# Altium PCB SuperCapV3Control.PcbDoc (part 1 of 2) (continued)
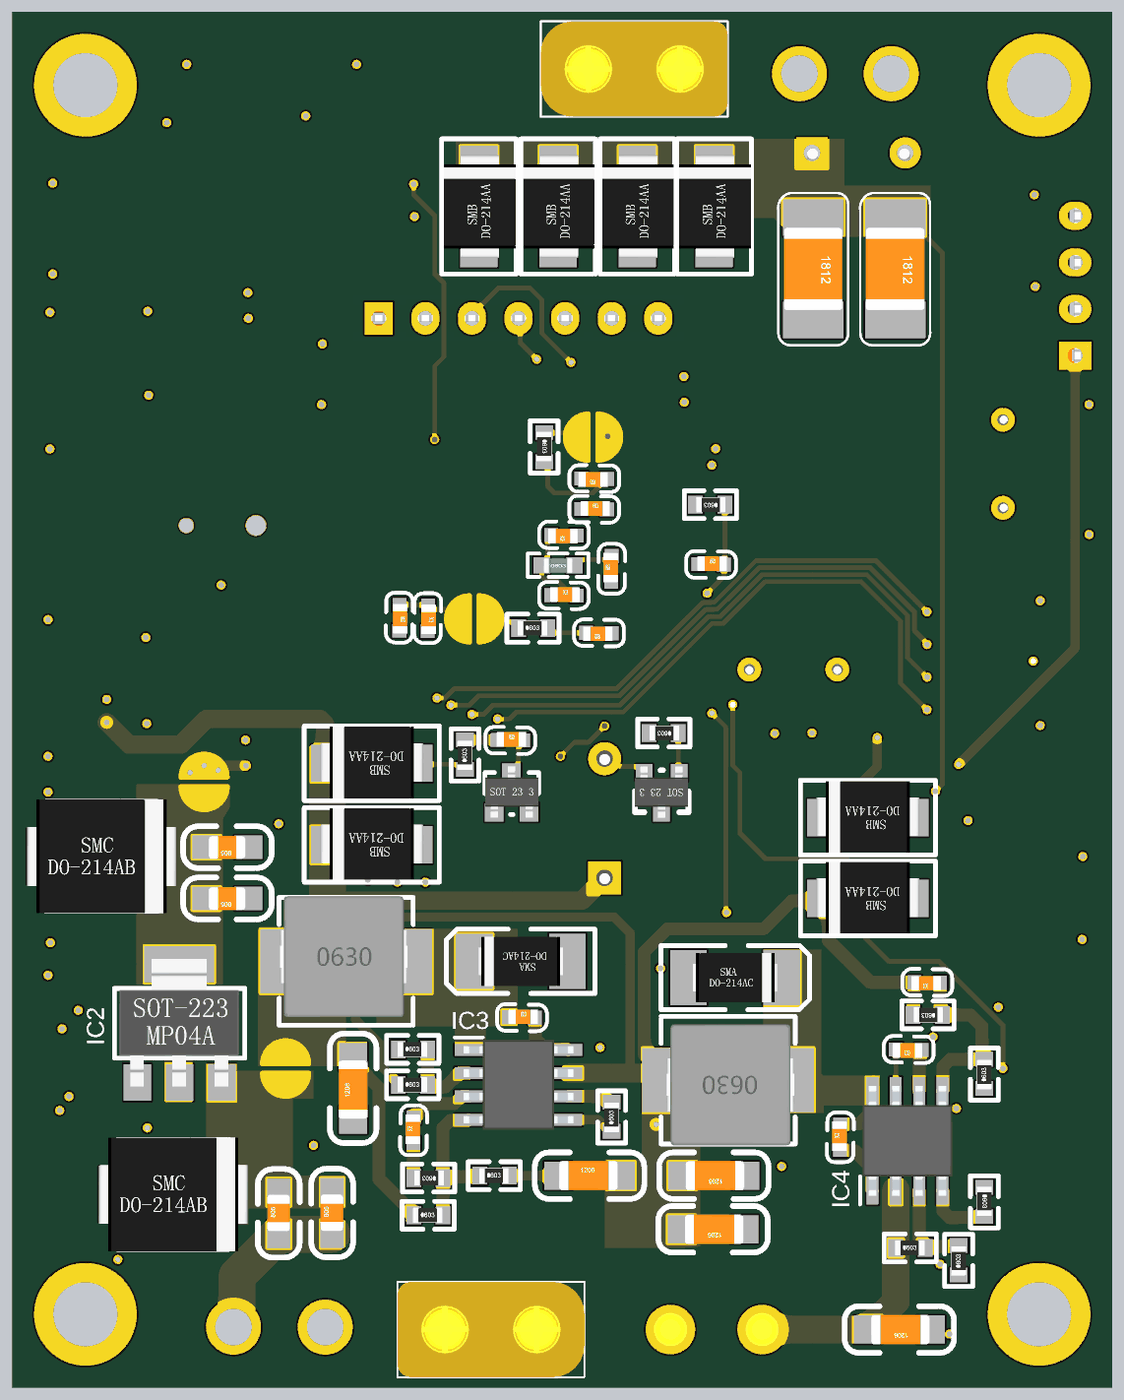
[diagram p6: 3D render of the assembled board from below, using the file's embedded part models]

## Layer stack, top to bottom
Top Solder: solder mask 0.0102, Solder Resist, Dk 3.5
Top Layer: signal copper 0.0356
Dielectric 1: dielectric 0.071, PP-006, Dk 4.1
POWER: plane copper 0.035, net 3V3
Dielectric 3: prepreg 0.0711, PP-006, Dk 4.1
GND: plane copper 0.035, net GND
Dielectric 2: prepreg 0.0711, PP-006, Dk 4.1
Bottom Layer: signal copper 0.0356
Bottom Solder: solder mask 0.0102, Solder Resist, Dk 3.5

## Board outline
0,0 60,0 60,75 0,75

## Design rules (kind name [scope] priority, off if disabled: settings)
Clearance [All] p1: gap=0.127 ignorepadtopadclearanceinfootprint=FALSE except(0: Arc-Hole Track-Hole SMDPad-Hole THPad-Hole Via-Hole Fill-Hole Poly-Hole Region-Hole Text-Hole)
DiffPairsRouting [All] p1: maxlimit=0.254 minlimit=0.254 mostfreqgap=0.254 toplayer_minwidth=0.254 toplayer_maxwidth=0.381 toplayer_prefwidth=0.254 bottomlayer_minwidth=0.254 bottomlayer_maxwidth=0.381 bottomlayer_prefwidth=0.254 maxuncoupledlength=12.7
PlaneClearance [All] p1: clearance=0.508
PlaneConnect [All] p1: planeconnectstyle=Direct reliefexpansion=0.508 reliefentries=4 reliefconductorwidth=0.254 reliefairgap=0.254
PolygonConnect PolygonConnect_22 [All vs IsNamedPolygon('Bottom Layer-Cap')] p1: connectstyle=Direct reliefconductorwidth=0.254 reliefentries=4 polygonreliefangle="90 Angle" airgapwidth=0.254
PolygonConnect PolygonConnect_21 [All vs IsNamedPolygon('Top Layer-NetJ11_1')] p2: connectstyle=Direct reliefconductorwidth=0.254 reliefentries=4 polygonreliefangle="90 Angle" airgapwidth=0.254
PolygonConnect PolygonConnect_20 [All vs IsNamedPolygon('Top Layer-Cap')] p3: connectstyle=Direct reliefconductorwidth=0.254 reliefentries=4 polygonreliefangle="90 Angle" airgapwidth=0.254
PolygonConnect PolygonConnect_19 [All vs IsNamedPolygon('CAP_L01_P048')] p4: connectstyle=Direct reliefconductorwidth=0.254 reliefentries=4 polygonreliefangle="90 Angle" airgapwidth=0.254
PolygonConnect PolygonConnect_18 [All vs IsNamedPolygon('NETC43_2_L04_P046')] p5: connectstyle=Direct reliefconductorwidth=0.254 reliefentries=4 polygonreliefangle="90 Angle" airgapwidth=0.254
PolygonConnect PolygonConnect_17 [All vs IsNamedPolygon('Bottom Layer-12V 1')] p6: connectstyle=Direct reliefconductorwidth=0.254 reliefentries=4 polygonreliefangle="90 Angle" airgapwidth=0.254
PolygonConnect PolygonConnect_16 [All vs IsNamedPolygon('Bottom Layer-NetC41_2')] p7: connectstyle=Direct reliefconductorwidth=0.254 reliefentries=4 polygonreliefangle="90 Angle" airgapwidth=0.254
PolygonConnect PolygonConnect_15 [All vs IsNamedPolygon('Bottom Layer-NetC41_2')] p8: connectstyle=Direct reliefconductorwidth=0.254 reliefentries=4 polygonreliefangle="90 Angle" airgapwidth=0.254
PolygonConnect PolygonConnect_14 [All vs IsNamedPolygon('Bottom Layer-5V')] p9: connectstyle=Direct reliefconductorwidth=0.254 reliefentries=4 polygonreliefangle="90 Angle" airgapwidth=0.254
PolygonConnect PolygonConnect_13 [All vs IsNamedPolygon('NETC48_1_L04_P030')] p10: connectstyle=Direct reliefconductorwidth=0.254 reliefentries=4 polygonreliefangle="90 Angle" airgapwidth=0.254
PolygonConnect PolygonConnect_12 [All vs IsNamedPolygon('NETC48_1_L04_P028')] p11: connectstyle=Direct reliefconductorwidth=0.254 reliefentries=4 polygonreliefangle="90 Angle" airgapwidth=0.254
PolygonConnect PolygonConnect_11 [All vs IsNamedPolygon('Bottom Layer-Battery_IN')] p12: connectstyle=Direct reliefconductorwidth=0.254 reliefentries=4 polygonreliefangle="90 Angle" airgapwidth=0.254
PolygonConnect PolygonConnect_10 [All vs IsNamedPolygon('Bottom Layer-Battery_IN')] p13: connectstyle=Direct reliefconductorwidth=0.254 reliefentries=4 polygonreliefangle="90 Angle" airgapwidth=0.254
PolygonConnect PolygonConnect_9 [All vs IsNamedPolygon('Bottom Layer-Battery_IN')] p14: connectstyle=Direct reliefconductorwidth=0.254 reliefentries=4 polygonreliefangle="90 Angle" airgapwidth=0.254
PolygonConnect PolygonConnect_8 [All vs IsNamedPolygon('Bottom Layer-12V')] p15: connectstyle=Direct reliefconductorwidth=0.254 reliefentries=4 polygonreliefangle="90 Angle" airgapwidth=0.254
PolygonConnect PolygonConnect_7 [All vs IsNamedPolygon('NETC50_2_L04_P018')] p16: connectstyle=Direct reliefconductorwidth=0.254 reliefentries=4 polygonreliefangle="90 Angle" airgapwidth=0.254
PolygonConnect PolygonConnect_6 [All vs IsNamedPolygon('CHASSIS_L01_P016')] p17: connectstyle=Direct reliefconductorwidth=0.254 reliefentries=4 polygonreliefangle="90 Angle" airgapwidth=0.254
PolygonConnect PolygonConnect_5 [All vs IsNamedPolygon('Top Layer-NetJ9_1 1')] p18: connectstyle=Direct reliefconductorwidth=0.254 reliefentries=4 polygonreliefangle="90 Angle" airgapwidth=0.254
PolygonConnect PolygonConnect_4 [All vs IsNamedPolygon('CHASSIS_L01_P016')] p19: connectstyle=Direct reliefconductorwidth=0.254 reliefentries=4 polygonreliefangle="90 Angle" airgapwidth=0.254
PolygonConnect PolygonConnect_3 [All vs IsNamedPolygon('NETJ9_1_L01_P008')] p20: connectstyle=Direct reliefconductorwidth=0.254 reliefentries=4 polygonreliefangle="90 Angle" airgapwidth=0.254
PolygonConnect PolygonConnect_2 [All vs IsNamedPolygon('BATTERY_IN_L01_P006')] p21: connectstyle=Direct reliefconductorwidth=0.254 reliefentries=4 polygonreliefangle="90 Angle" airgapwidth=0.254
PolygonConnect PolygonConnect_1 [All vs IsNamedPolygon('Top Layer-Battery_IN')] p22: thpad.connectstyle=Direct thpad.reliefconductorwidth=0.254 thpad.reliefentries=4 thpad.polygonreliefangle="90 Angle" thpad.airgapwidth=0.254 smdpad.connectstyle=Direct smdpad.reliefconductorwidth=0.254 smdpad.reliefentries=4 smdpad.polygonreliefangle="90 Angle" smdpad.airgapwidth=0.254 via.connectstyle=Relief via.reliefconductorwidth=0.254 via.reliefentries=4 via.polygonreliefangle="90 Angle" via.airgapwidth=0.254
PolygonConnect [All] p23: connectstyle=Relief reliefconductorwidth=0.254 reliefentries=4 polygonreliefangle="90 Angle" airgapwidth=0.254
RoutingVias [All] p1: holewidth=0.711 width=1.27 viastyle="Through Hole" minholewidth=0.3 minwidth=0.5 maxholewidth=0.711 maxwidth=1.27
SolderMaskExpansion [All] p1: expansion=0.102
Width [All] p1: maxlimit=5 minlimit=0.254 preferedwidth=0.254
27 further rules are at their usual default settings.

## Components (designator, comment, footprint, x,y, rotation, side; value= is the part's Value field where it differs from the comment)
B31 "BEEP" "BEEP 6.5x12x8.5" 27.686,27.79 r90 top
C0 "0.1u" 0603C 27.554,49.521 r0 bottom
C1 "2.2uF" 0603C 37.304,42.65 r270 bottom
C2 "2.2uF" 0603C 43.138,53.599 r270 top
C3 "0.1uF" 0603C 43.044,55.494 r90 top
C4 "0.1uF" 0603C 28.961,47.913 r180 bottom
C5 "0.1uF" 0603C 23.334,53.716 r90 top
C6 "0.1uF" 0603C 38.853,42.677 r270 bottom
C7 "0.1uF" 0603C 27.339,43.937 r90 bottom
C8 "0.1uF" 0603C 27.3,41.114 r0 bottom
C10 "1uF" 0603C 22.586,44.897 r180 bottom
C11 "20p" 0603C 16.388,35.678 r180 top
C12 "20p" 0603C 18.41,35.671 r0 top
C13 "10p" 0603C 1.265,53.603 r0 top
C14 "10p" 0603C 1.265,46.516 r0 top
C15 "0.1u" 0603C 30.612,43.214 r180 bottom
C16 "10u" 0603C 29.205,46.448 r0 bottom
C20 "0.1uF" 0603C 51.567,68.952 r180 top
C21 "47pF" 0603C 52.645,36.19 r90 top
C22 "47pF" 0603C 52.714,40.899 r270 top
C23 "47pF" 0603C 52.544,54.097 r90 top
C24 "47pF" 0603C 52.612,58.679 r270 top
C25 "47pF" 0603C 4.267,65.029 r270 top
C26 "47pF" 0603C 4.198,60.017 r90 top
C27 "0.1uF" 0603C 38.754,22.987 r90 top
C28 "0.1uF" 0603C 40.494,24.384 r270 top
C29 "0.1uF" 0603C 38.095,65.616 r0 top
C30 "0.1uF" 0603C 39.502,63.847 r180 top
C31 "0.1uF" 0603C 21.05,25.908 r270 top
C32 "0.1uF" 0603C 22.968,24.384 r270 top
C33 "0.1uF" 0603C 1.626,28.961 r270 top
C41 "0.1uF" 0805C 42.555,8.4 r90 bottom
C42 "10uF" 0805C 45.466,8.382 r90 bottom
C43 "0.1uF" 0805C 47.135,26.66 r0 bottom
C44 "10uF" 0805C 47.135,29.454 r0 bottom
C45 "22uF" 1206C 41.402,14.605 r90 bottom
C46 "150pF" 0603C 38.134,13.33 r90 bottom
C47 "10uF" 1206C 30.226,11.557 r180 bottom
C48 "0.1uF" 0603C 32.898,20.202 r180 bottom
C49 "10uF" 1206C 9.906,3.169 r0 bottom
C50 "0.1uF" 0603C 14.868,12.949 r90 bottom
C51 "0.1uF" 0603C 10.409,18.406 r0 bottom
C52 "150pF" 0603C 9.393,22.064 r0 bottom
C53 "22uF" 1206C 20.066,8.636 r0 bottom
C54 "22uF" 1206C 20.019,11.557 r0 bottom
C55 "0.1uF" 0603C 47.151,59.695 r270 top
C56 "0.1uF" 0603C 47.235,33.904 r90 top
C57 "CAP" 1812C 11.846,63.779 r0 bottom
C58 "CAP" 1812C 16.313,63.779 r0 bottom
C61 "0.1uF" 0603C 33.533,35.315 r180 bottom
D1 "LED" LED-0603G 58.039,22.486 r180 top
D2 "LED" LED-0603G 19.932,55.296 r270 top
D31 "LED-5050" LED-5050W 40.64,32.893 r270 top
D41 "5V" SMC/DO-214AB 54.26,10.541 r180 bottom
D42 "3V3" SMC/DO-214AB 58.166,28.956 r180 bottom
D43 "B5817W" SMA/DO-214AC 29.845,23.241 r0 bottom
D44 "SS24" SMA/DO-214AC 22.987,22.352 r180 bottom
D51 "LED" LED-0603G 16.263,11.938 r90 top
D52 "LED" LED-0603G 45.339,13.081 r90 top
D53 "LED" LED-0603G 20.073,61.341 r90 top
D54 "LED" LED-0603G 24.892,17.907 r90 top
D55 "LED" LED-0603G 43.815,24.13 r270 top
D60 "SMBJ28A" SMB/DO-214AA 9.054,7.112 r0 top
D61 "SMBJ28A" SMB/DO-214AA 9.054,11.43 r0 top
D62 "SMBJ28A" SMB/DO-214AA 9.054,15.752 r0 top
D63 "SMBJ28A" SMB/DO-214AA 9.054,2.794 r0 top
D64 "SMBJ28A" SMB/DO-214AA 52.451,8.636 r180 top
D65 "SMBJ28A" SMB/DO-214AA 52.451,12.954 r180 top
D66 "SMBJ28A" SMB/DO-214AA 52.451,17.272 r180 top
D67 "SMBJ28A" SMB/DO-214AA 52.451,21.59 r180 top
D68 "SMBJ28A" SMB/DO-214AA 21.717,62.103 r90 bottom
D69 "SMBJ28A" SMB/DO-214AA 25.908,62.103 r90 bottom
D70 "SMBJ28A" SMB/DO-214AA 30.226,62.103 r90 bottom
D71 "SMBJ28A" SMB/DO-214AA 34.544,62.103 r90 bottom
D72 "SMBJ12A" SMB/DO-214AA 11.049,26.67 r0 bottom
D73 "SMBJ12A" SMB/DO-214AA 11.049,31.073 r0 bottom
D74 "SMBJ5A" SMB/DO-214AA 38.1,29.591 r0 bottom
D75 "SMBJ5A" SMB/DO-214AA 38.1,34.036 r0 bottom
D76 "SMBJ3V3A" SMB/DO-214AA 57.023,15.494 r90 top
DE1 "POWER" DEBUG_A#1 28.321,51.816 r0 bottom
DE2 "POWER" DEBUG_A#2 34.798,41.91 r180 bottom
DE3 "POWER" DEBUG_A#3 45.085,17.399 r270 bottom
DE4 "POWER" DEBUG_A#4 49.53,33.02 r270 bottom
EC1 "DIP_ECAP" DIP-EC5.0X10X20-A 16.383,67.31 r270 top
IC1 "STM32F407VET6" QFP50P1600X1600X160-100N 33.02,46.863 r0 top
IC2 "AMS1117-3V3" SOT-223 50.927,19.939 r180 bottom
IC3 "MP1584EN-LF" SOIC127P600X170-9N 32.385,16.51 r180 bottom
IC4 "LMR14020SDDAR" SOIC127P600X170-9N 11.176,13.462 r90 bottom
IC5 "SN65HVD230DR" SOT127P600X175-8N 47.609,63.246 r0 top
IC6 "SN65HVD230DR" SOT127P600X175-8N 48.006,30.099 r0 top
IC7 "INA240A1PWR" SOP65P640X120-8N 22.025,18.161 r90 top
IC8 "INA240A1PWR" SOP65P640X120-8N 39.695,18.178 r90 top
IC9 "INA240A1PWR" SOP65P640X120-8N 32.385,64.77 r0 top
IC10 "OPA2350UA_2K5" SOIC127P600X175-8N 5.334,26.035 r90 top
IC11 "MCP9700AT-E_TT" SOT23 33.83,31.353 r180 bottom
J1 "MX1.25-4P" MX1.25WS-4P 45.847,72.136 r180 top
J2 "USART3" GH1.25_4P 59.487,33.824 r90 top
J3 "USART1" GH1.25_4P 59.385,50.576 r90 top
J4 "USART2" Fe-HDR1X4/2.54-S 2.032,56.261 r180 top
J5 "Female HDR1X7" Fe-HDR1X7/2.54-S 40.005,58.293 r270 top
J6 "CAN1" GH1.25_2P 59.233,59.989 r90 top
J7 "CAN2" GH1.25_2P 59.487,26.8 r90 top
J8 "XT30PB" XT30PB 19.1,3.169 r90 top
J9 "XT30PB" XT30PB 36.389,3.169 r90 bottom
J10 "XT30Motor" XT30UPB-F 47.946,3.296 r0 top
J11 "XT30PB" XT30PB 23.575,71.882 r270 bottom locked
J12 "XT30CAP" XT30UPB-F 12.045,71.634 r180 top
J13 "FPC0.5-8P" FPC0.5-8P 3.937,39.498 r270 top
K1 "KEY" SMD-3X6X2.5 21.799,50.673 r270 top
L1 "10uH" 0603L 31.115,44.831 r180 bottom
L31 "15uH" 0630L 44.831,23.241 r180 bottom
L32 "15uH" 0630L 17.907,16.764 r0 bottom
M3_1 "Hole" M3#1 5.207,67.818 r0 top
M3_2 "Hole" M3#2 3.81,5.461 r0 top
M3_3 "Hole" M3#3 54.991,5.08 r0 top
M3_4 "Hole" M3#4 56.007,68.834 r0 top
Q31 "PNP" SOT-23 24.511,32.639 r0 bottom
R10 "10K" 0603R 21.133,48.133 r0 bottom
R11 "10K" 0603R 30.988,52.07 r270 bottom
R12 "10K" 0603R 32.385,41.402 r180 bottom
R13 "1M" 0805R 18.288,43.053 r180 top
R14 "1M" 0805R 1.905,48.768 r90 top
R15 "5K" 0603R 21.717,55.118 r270 top
R16 "5K" 0603R 56.312,24.257 r0 top
R20 "100" 0603R 50.8,37.592 r180 top
R21 "100" 0603R 50.8,39.624 r180 top
R22 "100" 0603R 50.736,55.499 r180 top
R23 "100" 0603R 50.8,57.404 r180 top
R24 "100" 0603R 7.442,61.468 r180 top
R25 "100" 0603R 7.442,63.627 r180 top
R26 "0.04" 2512R 36.528,8.966 r0 top
R27 "0" 0603R 38.735,13.462 r270 top
R28 "0" 0603R 40.513,13.462 r270 top
R29 "0" 0603R 27.508,65.659 r180 top
R30 "0" 0603R 27.508,63.881 r180 top
R31 "2K" 0603R 40.767,36.322 r270 top
R32 "2K" 0603R 37.211,36.322 r270 top
R33 "2K" 0603R 38.989,36.322 r270 top
R34 "1K" 0603R 23.673,35.687 r0 bottom
R41 "100K" 0603R 38.938,16.51 r180 bottom
R42 "24.9K" 0603R 38.938,18.44 r180 bottom
R43 "210K" 0603R 38.1,9.398 r180 bottom
R44 "100K" 0603R 36.5,11.43 r0 bottom
R45 "40.2K" 0603R 34.493,11.557 r180 bottom
R46 "100K" 0603R 27.305,13.97 r90 bottom
R47 "10K" 0603R 8.382,6.147 r90 bottom
R48 "18.7K" 0603R 11.811,7.62 r180 bottom
R49 "30K" 0603R 6.985,10.922 r270 bottom
R50 "10K" 0603R 6.985,16.307 r90 bottom
R51 "150K" 0603R 9.271,20.32 r0 bottom
R52 "120" 0603R 52.435,63.957 r270 top
R53 "120" 0603R 52.705,30.861 r270 top
R100 "0" 0603R 6.096,30.912 r90 top
R101 "0.04" 2512R 22.987,67.818 r270 top
R102 "47R" 0805R 18.786,21.336 r90 top
R103 "47R" 0805R 36.528,21.336 r90 top
R104 "47R" 0805R 35.814,67.945 r0 top
R105 "47R" 0603R 4.369,34.163 r0 top
R106 "1K" 0603R 2.517,32.512 r270 top
R107 "20K" 0603R 4.318,30.912 r90 top
R108 "20K" 0603R 9.652,30.912 r90 top
R109 "1K" 0603R 7.874,30.912 r90 top
R110 "47R" 0603R 5.969,17.399 r180 top
R111 "1K" 0603R 2.667,20.739 r270 top
R112 "20K" 0603R 4.445,19.139 r90 top
R113 "20K" 0603R 8.001,19.101 r90 top
R114 "1K" 0603R 9.779,19.118 r90 top
R115 "0" 0603R 24.638,22.86 r90 top
R116 "0" 0603R 42.164,22.733 r90 top
R117 "0" 0603R 30.861,62.005 r180 top
R118 "0" 0603R 1.651,24.435 r90 top
R119 "4.7" 0603R 8.509,36.957 r0 top
R120 "4.7" 0603R 8.509,38.735 r0 top
R121 "4.7" 0603R 8.509,40.513 r0 top
R122 "4.7" 0603R 8.509,42.291 r0 top
R123 "0" 0603R 22.987,13.462 r270 top
R124 "0.04" 2512R 25.184,9.068 r180 top
R125 "0" 0603R 21.209,13.462 r270 top
R126 "0" 0603R 6.223,19.139 r90 top
R130 "0" 0603R 35.306,33.706 r90 bottom
R201 "100K" 0603R 18.034,12.065 r90 top
R202 "100K" 0603R 43.561,13.259 r90 top
R203 "100K" 0603R 20.066,67.183 r270 top
R204 "100K" 0603R 26.543,17.831 r90 top
R205 "20K" 0603R 45.466,24.13 r270 top
S1 "SS-12F23" 五向开关 48.6,47 r90 top
X10 "8Mhz" "OSC HC-49S" 17.399,39.148 r180 top
X11 "32.768Khz" "OSC HC-49S" 5.969,50.363 r90 top

## Footprints (in the part's own frame and the unit in brackets; to place one, negate y for a bottom-side part, rotate by r counter-clockwise, add the part's x,y. Pads: shape width x height; smd on the part's side, far side on the other; paste and mask are expansions set on the pad)
0603C [mil]
  rect 30x30 smd: 1(0.21,-0.35) 2(55.21,-1.35)
  silkscreen extent -26,-30 81,28, body extent -1,-15 62,16, height 12
0603L [mil] "小功率贴片电感"
  rect 35x35 smd: 1(0,0) 2(70,0)
  silkscreen extent -30,-25 100,25, body extent 4,-17 66,15, height 31
0603R [mm]
  rect 0.8x0.965 smd: 1(0,0) 2(1.6,0)
  silkscreen extent -0.64,-0.76 2.21,0.76, body extent -0.04,-0.41 1.56,0.41, height 0.45
0630L [mm]
  rect 3x3.5 smd: 1(-0.127,0) 2(6.223,0)
  silkscreen extent -0.61,-3.48 6.71,3.48, body extent -0.55,-3.05 6.4,3.55, height 3.05
0805C [mil]
  rect 60x50 smd: 1(-0.71,-0.4) 2(89.29,-0.4)
  silkscreen extent -51,-45 139,45, body extent 6,-25 84,25, height 31
0805R [mil]
  rect 60x50 smd: 1(0,0) 2(90,0)
  silkscreen extent -50,-45 140,45, body extent 1,-25 80,25, height 15
1206C [mil]
  rect 60x60 smd: 1(0,0) 2(135,0)
  silkscreen extent -50,-50 185,50, body extent 2,-31 128,31, height 39
1812C [mm]
  rect 3.302x2 smd: 1(0,0) 2(0,5.572)
  silkscreen extent -1.91,-1.35 1.92,6.96, body extent -1.6,0.54 1.6,5.04, height 1.6
2512R [mil]
  rect 61x129.92 smd: 1(-3.11,2) 2(251.89,2)
  silkscreen extent -47,-77 296,81, body extent 0,-63 249,63, height 24
"BEEP 6.5x12x8.5" [mm]
  rect 1.8x1.8 hole 0.9: 1(0,0)
  round 1.8 hole 0.9: 2(6.5,0)
  silkscreen extent -2.82,-6.22 9.57,6.18, body extent -2.79,-6 9.21,6, height 8.55
DEBUG_A#1 [mm]
  round 1 smd paste-1: 1(-0.889,0) 2(0.889,0)
  Top Layer region: -0.254,1.27 -0.254,-1.27 -0.762,-1.143 -1.397,-0.508 -1.524,0.254 -1.27,0.762 -1.016,1.016 -0.508,1.27
  Top Layer region: 0.254,1.27 0.254,-1.27 0.762,-1.143 1.397,-0.508 1.524,0.254 1.27,0.762 1.016,1.016 0.508,1.27
  Top Layer lines w0.254: -0.254,1.27 ccw(c-0.254,0) -0.254,-1.27 -0.254,1.27 ; 0.254,1.27 cw(c0.254,0) 1.412,0.523 cw(c0.254,0) 1.502,-0.233 cw(c0.254,0) 0.254,-1.27 0.254,1.27
DEBUG_A#2 [mm]
  round 1 smd paste-1: 1(-0.889,0) 2(0.889,0)
  Top Layer region: -0.254,1.27 -0.254,-1.27 -0.762,-1.143 -1.397,-0.508 -1.524,0.254 -1.27,0.762 -1.016,1.016 -0.508,1.27
  Top Layer region: 0.254,1.27 0.254,-1.27 0.762,-1.143 1.397,-0.508 1.524,0.254 1.27,0.762 1.016,1.016 0.508,1.27
  Top Layer lines w0.254: 1.515,-0.153 cw(c0.254,0) 0.254,-1.27 0.254,1.27 cw(c0.254,0) 1.412,0.523 cw(c0.254,0) 1.515,-0.153 ; -0.254,-1.27 cw(c-0.254,0) -1.418,0.507 cw(c-0.254,0) -0.254,1.27 -0.254,-1.27
DEBUG_A#3 [mm]
  round 1 smd paste-1: 1(-0.889,0) 2(0.889,0)
  Top Layer region: -0.254,1.27 -0.254,-1.27 -0.762,-1.143 -1.397,-0.508 -1.524,0.254 -1.27,0.762 -1.016,1.016 -0.508,1.27
  Top Layer region: 0.254,1.27 0.254,-1.27 0.762,-1.143 1.397,-0.508 1.524,0.254 1.27,0.762 1.016,1.016 0.508,1.27
  Top Layer lines w0.254: 0.254,1.27 cw(c0.254,0) 1.412,0.523 cw(c0.254,0) 0.254,-1.27 0.254,1.27 ; -0.254,1.27 ccw(c-0.254,0) -0.254,-1.27 -0.254,1.27
DEBUG_A#4 [mm]
  round 1 smd paste-1: 1(-0.889,0) 2(0.889,0)
  Top Layer region: -0.254,1.27 -0.254,-1.27 -0.762,-1.143 -1.397,-0.508 -1.524,0.254 -1.27,0.762 -1.016,1.016 -0.508,1.27
  Top Layer region: 0.254,1.27 0.254,-1.27 0.762,-1.143 1.397,-0.508 1.524,0.254 1.27,0.762 1.016,1.016 0.508,1.27
  Top Layer lines w0.254: 0.254,1.27 cw(c0.254,0) 1.412,0.523 cw(c0.254,0) 0.254,-1.27 0.254,1.27 ; -0.254,1.27 ccw(c-0.254,0) -0.889,1.1 ccw(c-0.254,0) -0.254,-1.27 -0.254,1.27
DIP-EC5.0X10X20-A [mm]
  rect 1.7x1.7 hole 0.9: 1(0,0)
  round 1.7 hole 0.9: 2(0,-5.08)
  silkscreen extent 0.76,-7.62 21.97,2.54, body extent -0.25,-7.54 21.96,2.46, height 10.03
Fe-HDR1X4/2.54-S [mil]
  rect 70x60 hole 32: 1(0,0)
  oval 70x60 hole 32: 2(0,-100) 3(0,-200) 4(0,-300)
  silkscreen extent -50,-350 50,50, body extent -44,-355 54,55, height 335
Fe-HDR1X7/2.54-S [mil]
  rect 70x60 hole 32: 1(0,0)
  oval 70x60 hole 32: 2(0,-100) 3(0,-200) 4(0,-300) 5(0,-400) 6(0,-500) 7(0,-600)
  silkscreen extent -50,-650 50,50, body extent -49,-655 49,55, height 126
FPC0.5-8P [mm]
  rect 1.8x2.2 smd: 0(-3.4,0) 0(3.4,0)
  rect 0.3x1.3 smd: 1(-1.75,2.497) 2(-1.25,2.497) 3(-0.75,2.497) 4(-0.25,2.497) 5(0.25,2.497) 6(0.75,2.497) 7(1.25,2.497) 8(1.75,2.497)
  silkscreen extent -4.17,-3.3 4.17,2.16, body extent -4.11,-3.23 4.09,2.77, height 2
GH1.25_2P [mm]
  rect 0.6x1.7 smd: 1(2.57,4.648) 2(3.82,4.648)
  rect 1x2.7 smd: 3(5.67,1.448) 4(0.72,1.448)
  silkscreen extent 0,-0.13 6.36,4.65
GH1.25_4P [mm]
  rect 0.6x1.7 smd: 1(2.443,4.648) 2(3.693,4.648) 3(4.943,4.648) 4(6.193,4.648)
  rect 1x2.7 smd: 5(8.043,1.448) 6(0.593,1.448)
  silkscreen extent -0.13,-0.13 8.89,4.57
LED-0603G [mil]
  rect 50x35 smd: A(0,0.26) K(70,0.26)
  silkscreen extent -36,-28 134,28, body extent 4,-15 66,17, height 24
LED-5050W [mm]
  rect 1.5x0.9 smd: 1(-0.038,-0.051) 2(5.372,-0.051) 3(-0.038,-1.651) 4(5.372,-1.651) 5(-0.038,-3.251) 6(5.372,-3.251)
  silkscreen extent 1.14,-3.94 4.19,0.64, body extent -0.03,-4.11 5.37,0.89, height 1.65
M3#1 [mm]
  round 5.6 hole 3.5: 1(-1.207,3.182)
M3#2 [mm]
  round 5.6 hole 3.5: 1(0.19,-1.461)
M3#3 [mm]
  round 5.6 hole 3.5: 1(1.009,-1.08)
M3#4 [mm]
  round 5.6 hole 3.5: 1(-0.007,2.166)
MX1.25WS-4P [mm]
  rect 2x3 smd: 0(-4.632,0) 0(4.632,0)
  rect 0.8x1.6 smd: 1(-1.889,2.811) 2(-0.639,2.811) 3(0.611,2.811) 4(1.861,2.811)
  silkscreen extent -5.23,-2.23 5.45,3.25, body extent -5.15,-1.96 5,3.23, height 3.4
"OSC HC-49S" [mm]
  round 1.3 hole 0.6: 1(-2.4,0) 2(2.4,0)
  silkscreen extent -5.52,-2.32 5.52,2.33, body extent -5.53,-2.29 5.53,2.36, height 4.13
QFP50P1600X1600X160-100N [mm]
  rect 1.475x0.3 smd: 1(-7.738,6) 2(-7.738,5.5) 3(-7.738,5) 4(-7.738,4.5) 5(-7.738,4) 6(-7.738,3.5) 7(-7.738,3) 8(-7.738,2.5) 9(-7.738,2) 10(-7.738,1.5) 11(-7.738,1) 12(-7.738,0.5) 13(-7.738,0) 14(-7.738,-0.5) 15(-7.738,-1) 16(-7.738,-1.5) 17(-7.738,-2) 18(-7.738,-2.5) 19(-7.738,-3) 20(-7.738,-3.5) 21(-7.738,-4) 22(-7.738,-4.5) 23(-7.738,-5) 24(-7.738,-5.5) 25(-7.738,-6) 51(7.738,-6) 52(7.738,-5.5) 53(7.738,-5) 54(7.738,-4.5) 55(7.738,-4) 56(7.738,-3.5) 57(7.738,-3) 58(7.738,-2.5) 59(7.738,-2) 60(7.738,-1.5) 61(7.738,-1) 62(7.738,-0.5) 63(7.738,0) 64(7.738,0.5) 65(7.738,1) 66(7.738,1.5) 67(7.738,2) 68(7.738,2.5) 69(7.738,3) 70(7.738,3.5) 71(7.738,4) 72(7.738,4.5) 73(7.738,5) 74(7.738,5.5) 75(7.738,6)
  rect 0.3x1.475 smd: 26(-6,-7.738) 27(-5.5,-7.738) 28(-5,-7.738) 29(-4.5,-7.738) 30(-4,-7.738) 31(-3.5,-7.738) 32(-3,-7.738) 33(-2.5,-7.738) 34(-2,-7.738) 35(-1.5,-7.738) 36(-1,-7.738) 37(-0.5,-7.738) 38(0,-7.738) 39(0.5,-7.738) 40(1,-7.738) 41(1.5,-7.738) 42(2,-7.738) 43(2.5,-7.738) 44(3,-7.738) 45(3.5,-7.738) 46(4,-7.738) 47(4.5,-7.738) 48(5,-7.738) 49(5.5,-7.738) 50(6,-7.738) 76(6,7.738) 77(5.5,7.738) 78(5,7.738) 79(4.5,7.738) 80(4,7.738) 81(3.5,7.738) 82(3,7.738) 83(2.5,7.738) 84(2,7.738) 85(1.5,7.738) 86(1,7.738) 87(0.5,7.738) 88(0,7.738) 89(-0.5,7.738) 90(-1,7.738) 91(-1.5,7.738) 92(-2,7.738) 93(-2.5,7.738) 94(-3,7.738) 95(-3.5,7.738) 96(-4,7.738) 97(-4.5,7.738) 98(-5,7.738) 99(-5.5,7.738) 100(-6,7.738)
  silkscreen extent -8.35,-6.65 6.65,6.87, body extent -8,-8 8,8, height 1.6
SMA/DO-214AC [mm]
  rect 2x3 smd: A(-0.127,0) K(4.953,0)
  silkscreen extent -1.63,-1.75 6.48,1.75, body extent 0.11,-1.35 4.71,1.35, height 2.4
SMB/DO-214AA [mil] "塑封二极管"
  rect 80x80 smd: A(0,0) K(180,0)
  silkscreen extent -55,-80 235,80, body extent -20,-79 200,75, height 98
SMC/DO-214AB [mm] "塑封二极管"
  rect 2x3 smd: A(0,0) K(6,0)
  silkscreen extent 0,-3 6.1,3, body extent -1.01,-3.1 7.11,3.1, height 2.7
SMD-3X6X2.5 [mm]
  rect 2x1.5 smd: 1(-0.059,-0.02) 3(7.874,0)
  silkscreen extent 0.73,-1.9 7.03,1.9, body extent -0.19,-1.78 7.81,1.72, height 2.59
SOIC127P600X170-9N [mm]
  rect 1.525x0.65 smd: 1(-2.712,1.905) 2(-2.712,0.635) 3(-2.712,-0.635) 4(-2.712,-1.905) 5(2.712,-1.905) 6(2.712,-0.635) 7(2.712,0.635) 8(2.712,1.905)
  rect 2.4x3.1 smd: 9(0,0)
  silkscreen extent -3.47,2.58 -1.95,2.58, body extent -3,-2.45 3,2.45, height 1.7
SOIC127P600X175-8N [mm]
  rect 1.55x0.7 smd: 1(-2.725,1.905) 2(-2.725,0.635) 3(-2.725,-0.635) 4(-2.725,-1.905) 5(2.725,-1.905) 6(2.725,-0.635) 7(2.725,0.635) 8(2.725,1.905)
  silkscreen extent -3.5,-2.45 1.6,2.61, body extent -3,-2.45 3,2.45, height 1.75
SOP65P640X120-8N [mm]
  rect 1.475x0.45 smd: 1(-2.938,0.975) 2(-2.938,0.325) 3(-2.938,-0.325) 4(-2.938,-0.975) 5(2.938,-0.975) 6(2.938,-0.325) 7(2.938,0.325) 8(2.938,0.975)
  silkscreen extent -3.67,-1.5 1.85,1.55, body extent -3.21,-1.5 3.21,1.5, height 1.11
SOT23 [mil]
  rect 40x40 smd: 1(4.88,0.63) 3(79.88,0.63)
  rect 40x50 smd: 2(41.88,80.63)
  silkscreen extent -15,-4 100,86, body extent -15,-11 99,99, height 47
SOT127P600X175-8N [mm]
  rect 1.75x0.6 smd: 1(-2.55,1.905) 2(-2.55,0.635) 3(-2.55,-0.635) 4(-2.55,-1.905) 5(2.55,-1.905) 6(2.55,-0.635) 7(2.55,0.635) 8(2.55,1.905)
  silkscreen extent -3.42,-2.45 1.33,2.56, body extent -3.01,-2.45 3.01,2.45, height 1.63
SOT-23 [mil]
  rect 36x36 smd: B(-35,-35) E(40,-35)
  rect 36x50 smd: C(3,45)
  silkscreen extent -55,-40 60,50, body extent -54,-48 60,62, height 47
SOT-223 [mil]
  rect 59x79 smd: 1(-88,-130) 2(2.55,-130) 3(93.1,-130)
  rect 150x79 smd: 2(1.88,123.54)
  silkscreen extent -137,-78 143,72, body extent -126,-139 130,135, height 67
XT30PB [mm]
  round 2.7 hole 1.8: 1(0,0) 2(0,-5)
  silkscreen extent -2.6,-7.6 2.6,2.6, body extent -2.6,-7.6 2.6,2.6, height 10.66
XT30UPB-F [mm]
  round 3 hole 2: 1(-5.02,0.006) 2(-0.02,0.006)
  silkscreen extent -7.62,-2.79 2.58,2.81
五向开关 [mm]
  rect 1.5x1.5 smd: 0(0,4) 0(0,-4)
  round 1.1 hole 1.1: 0(0,1.9)
  round 0.8 hole 0.8: 0(0,-1.9)
  rect 2x1 smd: 1(-3.25,1.4) 2(-3.25,0) 3(-3.25,-1.4) 4(3.25,-1.4) 5(3.25,0) 6(3.25,1.4)
  silkscreen extent -3.68,-3.68 3.68,3.68

## Part data
B31: "蜂鸣器"
C0 C1 C2 C3 C4 C5 C6 C7 C8 C10 C11 C12 C13 C14 C15 C16 C20 C21 C22 C23 C24 C25 C26 C27 C28 C29 C30 C31 C32 C33 C41 C42 C43 C44 C45 C46 C47 C48 C49 C50 C51 C52 C53 C54 C55 C56 C61: library part CAP, "无极性电容"
C57 C58: "无极性电容"
D41 D42 D60 D61 D62 D63 D64 D65 D66 D67 D68 D69 D70 D71 D72 D73 D74 D75 D76: library part "DIODE ZENER", "稳压二极管"
D43 D44: library part "DIODE SCHOTTKY", "肖特基二极管"
DE1 DE2 DE3 DE4: library part DEBUG, "调试断点焊盘"
EC1: "直插电解电容"
IC1: "Integrated Circuit", Manufacturer_Name=STMicroelectronics, Mouser Part Number=511-STM32F407VET6, Arrow Part Number=STM32F407VET6, Arrow Price/Stock=https://www.arrow.com/en/products/stm32f407vet6/stmicroelectronics?region=nac, Datasheet Link=http://www.st.com/web/en/resource/technical/document/datasheet/DM00037051.pdf, Height=1.6mm, Manufacturer_Part_Number=STM32F407VET6, Mouser Price/Stock=https://www.mouser.co.uk/ProductDetail/STMicroelectronics/STM32F407VET6?qs=Z8%252BeY1k3TIJFAMMqSR%252BGtw%3D%3D
IC2: library part AMS1117, "三端稳压芯片"
IC3: "Integrated Circuit", Manufacturer_Name="Monolithic Power Systems (MPS)", Mouser Part Number=946-MP1584ENLF, Datasheet Link=https://componentsearchengine.com/Datasheets/1/MP1584EN-LF.pdf, Height=1.7mm, Manufacturer_Part_Number=MP1584EN-LF, Mouser Price/Stock=https://www.mouser.com/Search/Refine.aspx?Keyword=946-MP1584ENLF
IC4: "Integrated Circuit", Manufacturer_Name="Texas Instruments", Mouser Part Number=595-LMR14020SDDAR, Arrow Part Number=LMR14020SDDAR, Arrow Price/Stock=https://www.arrow.com/en/products/lmr14020sddar/texas-instruments, Datasheet Link=http://www.ti.com/lit/gpn/lmr14020, Height=1.7mm, Manufacturer_Part_Number=LMR14020SDDAR, Mouser Price/Stock=https://www.mouser.co.uk/ProductDetail/Texas-Instruments/LMR14020SDDAR?qs=Q2snjRlG%2FBLpJ6bVOizpDA%3D%3D
IC5 IC6: "Integrated Circuit", Manufacturer_Name="Texas Instruments", Mouser Part Number=595-SN65HVD230DR, Arrow Part Number=SN65HVD230DR, Arrow Price/Stock=https://www.arrow.com/en/products/sn65hvd230dr/texas-instruments?region=nac, Datasheet Link=http://www.ti.com/lit/gpn/sn65hvd230, Height=1.75mm, Manufacturer_Part_Number=SN65HVD230DR, Mouser Price/Stock=https://www.mouser.co.uk/ProductDetail/Texas-Instruments/SN65HVD230DR?qs=QViXGNcIEAtifeQR3pYVUQ%3D%3D
IC7 IC8 IC9: "Integrated Circuit", Manufacturer_Name="Texas Instruments", Mouser Part Number=595-INA240A1PWR, Arrow Part Number=INA240A1PWR, Arrow Price/Stock=https://www.arrow.com/en/products/ina240a1pwr/texas-instruments?region=nac, Datasheet Link=http://www.ti.com/lit/gpn/INA240, Height=1.2mm, Manufacturer_Part_Number=INA240A1PWR, Mouser Price/Stock=https://www.mouser.co.uk/ProductDetail/Texas-Instruments/INA240A1PWR?qs=aVyJF2WnouTDXnRi6tpqfA%3D%3D
IC10: "Integrated Circuit", Arrow Part Number=OPA2350UA/2K5, Manufacturer_Name="Texas Instruments", Mouser Part Number=595-OPA2350UA/2K5, Arrow Price/Stock=https://www.arrow.com/en/products/opa2350ua2k5/texas-instruments, Datasheet Link=http://www.ti.com/lit/gpn/opa2350, Height=1.75mm, Manufacturer_Part_Number=OPA2350UA/2K5, Mouser Price/Stock=https://www.mouser.co.uk/ProductDetail/Texas-Instruments/OPA2350UA-2K5?qs=7nS3%252BbEUL6t75JUF5jEhbw%3D%3D
IC11: "Integrated Circuit", Arrow Part Number=MCP9700AT-E/TT, Manufacturer_Name=Microchip, Mouser Part Number=579-MCP9700AT-E/TT, Arrow Price/Stock=https://www.arrow.com/en/products/mcp9700at-ett/microchip-technology?region=nac, Datasheet Link=http://componentsearchengine.com/Datasheets/1/MCP9700AT-E_TT.pdf, Manufacturer_Part_Number=MCP9700AT-E/TT, Mouser Price/Stock=https://www.mouser.co.uk/ProductDetail/Microchip-Technology/MCP9700AT-E-TT?qs=yUQqVecv4quOvELNpOl4bA%3D%3D
J2 J3: library part GH1.25_4P
J4: library part "Female HDR1X4"
J6 J7: library part GH1.25_2P
J8 J9 J11: "Connector", Manufacturer_Name=Amass, Datasheet Link=https://www.tme.eu/Document/4acc913878197f8c2e30d4b8cdc47230/XT30UPB%20SPEC.pdf, Height=10.7mm, Manufacturer_Part_Number=XT30PB
J10 J12: library part XT30UPB-F
J13: "贴片"
L1 L31 L32: library part INDUCTOR, "INDUCTOR"
Q31: "PNP三极管"
R10 R11 R12 R13 R14 R15 R16 R20 R21 R22 R23 R24 R25 R26 R27 R28 R29 R30 R31 R32 R33 R34 R41 R42 R43 R44 R45 R46 R47 R48 R49 R50 R51 R52 R53 R100 R101 R102 R103 R104 R105 R106 R107 R108 R109 R110 R111 R112 R113 R114 R115 R116 R117 R118 R119 R120 R121 R122 R123 R124 R125 R126 R130 R201 R202 R203 R204 R205: library part RES
S1: library part SSW-1P, "五向开关", 学习资源=www.o
X10 X11: library part XTAL-2P, "2脚无源脚晶振"

## Via types
v1: diameter 0.5, hole 0.3, Top Layer to Bottom Layer, 172 vias

## Nets (pads, with @x,y where several pads share a name; then routed paths per layer and width w, separated by ;. In a path a pad name is that pad's centre, name@x,y a point inside that pad or via, vN(x,y) a via of type N, cw(c..) or ccw(c..) an arc to the next point about the centre after c; other vN are vias at no path point)
3V3: C0.1 C3.2 C4.2 C5.2 C6.2 C7.2 C8.2 C28.2 C30.2 C32.2 C33.1 C55.1 C56.1 D1.A D2.A D76.K DE4.1 IC1.6 IC1.11 IC1.19 IC1.28 IC1.50 IC1.75 IC1.100 IC5.3 IC6.3 IC7.5 IC7.6 IC8.5 IC8.6 IC9.5 IC9.6 IC10.8 IC11.1 J5.2 L1.2 R10.2 R11.2 R12.2 | length 71.7
  Top Layer w0.254: v1(1.617,28.956) 2.379,28.194 3.206,28.194 3.429,28.417 IC10.8@3.429,28.76 ; v1(22.733,48.133) 23.003,47.863 IC1.11@25.282,47.863 25.298,47.879 v1(27.559,47.879) ; IC7.5@23,21.099 23,22.916 C32.2@22.933,22.982 22.489,22.982 22.35,22.843 IC7.6@22.35,21.099 22.448,21.001 22.448,20.11 v1(23.228,19.33) ; v1(23.368,55.118) 24.461,56.211 26.699,56.211 27.02,55.889 IC1.100@27.02,54.601 ; IC1.19@25.282,43.863 25.305,43.886 26.052,43.886 26.416,44.25 26.416,44.958 26.797,45.339 v1(27.305,45.339) ; IC1.6@25.282,50.363 26.687,50.363 v1(27.52,49.53) ; IC1.28@28.02,39.125 28.02,40.453 v1(28.702,41.135) ; IC9.6@35.323,64.445 IC9.5@35.323,63.795 38.014,63.795 v1(38.057,63.838) C30.2@38.1,63.881 ; v1(38.907,41.248) 39.02,41.135 IC1.50@39.02,39.125 ; IC8.6@40.02,21.116 40.118,21.214 40.118,22.64 C28.2@40.459,22.982 40.67,22.771 IC8.5@40.67,21.116 ; IC1.75@40.758,52.863 40.781,52.886 41.837,52.886 42.079,53.128 42.079,55.897 v1(43.078,56.896) ; IC5.3@45.059,62.611 46.609,62.611 47.117,62.103 47.117,59.715 v1(47.142,59.69)
  Top Layer w0.5: D2.A@19.939,55.296 19.939,55.487 20.347,55.895 22.591,55.895 v1(23.368,55.118) ; IC6.3@45.456,29.464 46.031,29.464 47.244,30.677 v1(47.244,33.909) ; D76.K@57.023,20.066 57.789,20.832 57.789,22.284 57.984,22.479 v1(58.039,22.479)
  Bottom Layer w0.254: v1(27.305,45.339) 27.495,45.148 29.019,45.148 L1.2@29.337,44.831 ; C0.1@27.559,49.53 28.321,48.768 30.416,48.768 30.797,49.149 30.797,50.28 R11.2@30.988,50.47 ; C8.2@28.702,41.148 30.531,41.148 v1(30.785,41.402) ; 48.43,33.909 v1(49.53,33.909)
  Bottom Layer w0.55: v1(47.244,33.909) 48.43,33.909
  other v1: 57.277,19.558 56.388,20.574 40.513,22.987 33.706,31.369 50.292,33.528 48.768,33.655
5V: B31.1 C20.2 C45.2 D55.A D74.K D75.K DE3.1 J1.1 J2.1 J3.1 J4.1 L31.1 R43.1 | length 134.5
  Top Layer w0.5: v1(8.387,33.974) 21.245,33.974 22.733,32.486 22.733,29.464 24.407,27.79 B31.1@27.686,27.79 ; J1.1@47.736,69.325 47.736,69.136 47.886,68.986 C20.2@50.165,68.986 50.296,69.117 50.296,69.688 50.712,70.104 52.403,70.104 54.684,67.823 54.732,67.823 56.007,66.548 56.007,60.104 56.134,59.977 56.134,53.362 55.841,53.069 54.787,53.069 J3.1@54.737,53.019 54.787,52.969 55.736,52.969 56.134,52.571 56.134,41.389 56.642,40.881 56.642,36.957 55.952,36.267 v1(54.839,36.267)
  Bottom Layer w0.5: J4.1@2.032,56.261 2.032,40.329 v1(8.387,33.974)
  Bottom Layer w0.7: R43.1@38.1,9.398 38.1,9.48 40.005,11.385 40.005,16.357 40.99,17.342 40.99,17.622 C45.2@41.402,18.034
  Bottom Layer w1: B31.1@27.686,27.79 28.933,26.543 42.672,26.543 ; D75.K@42.672,34.036 42.926,34.29 42.926,36.156 43.219,36.449 49.403,36.449 50.8,35.052 53.624,35.052 v1(54.839,36.267)
  other v1: 43.822,24.13
12V: C47.2 C52.2 C53.2 C54.2 D54.A D72.K D73.K IC3.7 J13.1 J13.8 L32.2 R41.1 R51.2 | length 108.9
  Top Layer w0.5: J13.1@6.034,41.275 4.006,41.275 3.429,40.698 3.429,38.444 4.154,37.719 J13.8@6.434,37.719 ; J13.8@6.778,37.648 6.778,36.648 7.982,35.444 12.816,35.444 v1(12.827,35.433) ; v1(15.494,26.543) 15.621,26.67 v1(15.621,31.073) ; v1(24.885,14.351) D54.A@24.885,17.907
  Bottom Layer w0.5: v1(12.827,35.433) 12.827,33.867 v1(15.621,31.073) ; C54.2@23.448,11.557 23.96,12.069 23.96,16.594 L32.2@24.13,16.764 24.765,16.129 24.765,11.85 25.058,11.557 C47.2@26.797,11.557 ; 25.908,17.145 26.289,17.526 26.289,24.765 27.178,25.654 40.601,25.654 41.275,24.98 41.275,20.066 39.991,18.782 39.991,17.646 38.938,16.592 R41.1@38.938,16.51
  Bottom Layer w0.7: R51.2@10.871,20.32 10.826,20.365 10.826,22.067 C52.2@10.795,22.098 13.208,22.098 15.494,24.384 v1(15.494,26.543) D72.K@15.621,26.67 15.748,26.543 17.487,26.543 19.011,25.019 24.257,25.019 25.527,23.749 25.527,18.161 24.511,17.145 L32.2@24.13,16.764
  Bottom Layer w1: L32.2@24.511,17.145 25.908,17.145 IC3.7@29.673,17.145
ADC1_IN1_PA1: IC1.24 R110.1 | length 37.4
  Top Layer w0.254: v1(20.703,37.238) 20.703,38.815 23.228,41.34 25.259,41.34 IC1.24@25.282,41.363
  Bottom Layer w0.254: v1(5.969,17.399) 5.969,19.765 9.445,23.241 12.192,23.241 13.462,24.511 13.462,27.813 14.478,28.829 18.923,28.829 20.32,30.226 20.32,33.528 20.703,33.911 v1(20.703,37.238)
ADC1_IN5_PA5: IC1.30 R105.2 | length 26.8
  Top Layer w0.254: R105.2@5.969,34.163 5.969,34.245 6.242,34.518 26.282,34.518 27.208,35.444 28.133,35.444 29.02,36.331 IC1.30@29.02,39.125
ADC1_IN6_PA6: C61.2 IC1.31 IC11.2 | length 7.5
  Top Layer w0.254: IC1.31@29.52,39.125 29.52,37.15 31.389,35.281 v1(32.131,35.281)
  Bottom Layer w0.254: v1(32.131,35.281) 32.385,35.027 32.385,33.782 IC11.2@32.766,33.401
ADC2_IN2_PA2: C31.1 IC1.25 R102.2 | length 21.5
  Top Layer w0.254: R102.2@18.786,23.622 19.294,24.13 19.294,25.136 19.939,25.781 20.919,25.781 v1(21.041,25.903) ; v1(21.844,36.77) 21.844,39.204 23.495,40.855 25.274,40.855 IC1.25@25.282,40.863
  Bottom Layer w0.254: v1(21.041,25.903) 21.084,25.946 21.084,36.01 v1(21.844,36.77)
ADC2_IN3_PA3: C27.1 IC1.26 R103.2 | length 24.1
  Top Layer w0.254: IC1.26@27.02,39.125 27.02,36.734 v1(27.686,36.068) ; v1(30.099,34.417) 32.131,32.385 35.052,32.385 36.528,30.909 R103.2@36.528,23.622 37.036,23.114 38.641,23.114 C27.1@38.763,22.992
  Bottom Layer w0.254: v1(27.686,36.068) 28.575,35.179 29.337,35.179 v1(30.099,34.417)
ADC2_IN4_PA4: C29.1 IC1.29 R104.2 | length 34.4
  Top Layer w0.254: IC1.29@28.52,39.125 28.543,39.148 28.543,40.227 28.956,40.64 29.591,40.64 29.972,41.021 29.972,42.164 30.353,42.545 31.75,42.545 36.957,47.752 v1(36.957,51.682) ; v1(38.1,65.607) R104.2@38.1,67.945
  Bottom Layer w0.254: v1(36.957,51.682) 36.957,55.689 36.449,56.197 36.449,60.198 36.957,60.706 36.957,63.881 38.1,65.024 v1(38.1,65.607)
AGND1: C33.2 IC10.4 R118.2 | length 9
  Top Layer w0.5: C33.2@1.591,27.559 1.621,27.529 1.621,26.065 R118.2@1.651,26.035 5.842,26.035 7.139,24.738 7.139,23.41 IC10.4@7.239,23.31
AGND2: C31.2 C32.1 IC7.4 IC7.7 R115.2 | length 13.6
  Top Layer w0.254: C31.2@21.015,24.506 C31.2@21.142,24.379 ; IC7.4@23,15.223 23,17.323 21.7,18.623 IC7.7@21.7,21.099 21.7,22.716 21.269,23.147 21.269,24.252 C31.2@21.142,24.379 ; R115.2@24.638,24.46 23.04,24.46 C32.1@22.959,24.379 C31.2@21.142,24.379